# EAGLE board Mk4 Final Panel 8up 2x4 (EAGLE 9.0.1), part 18 of 23 (continued)
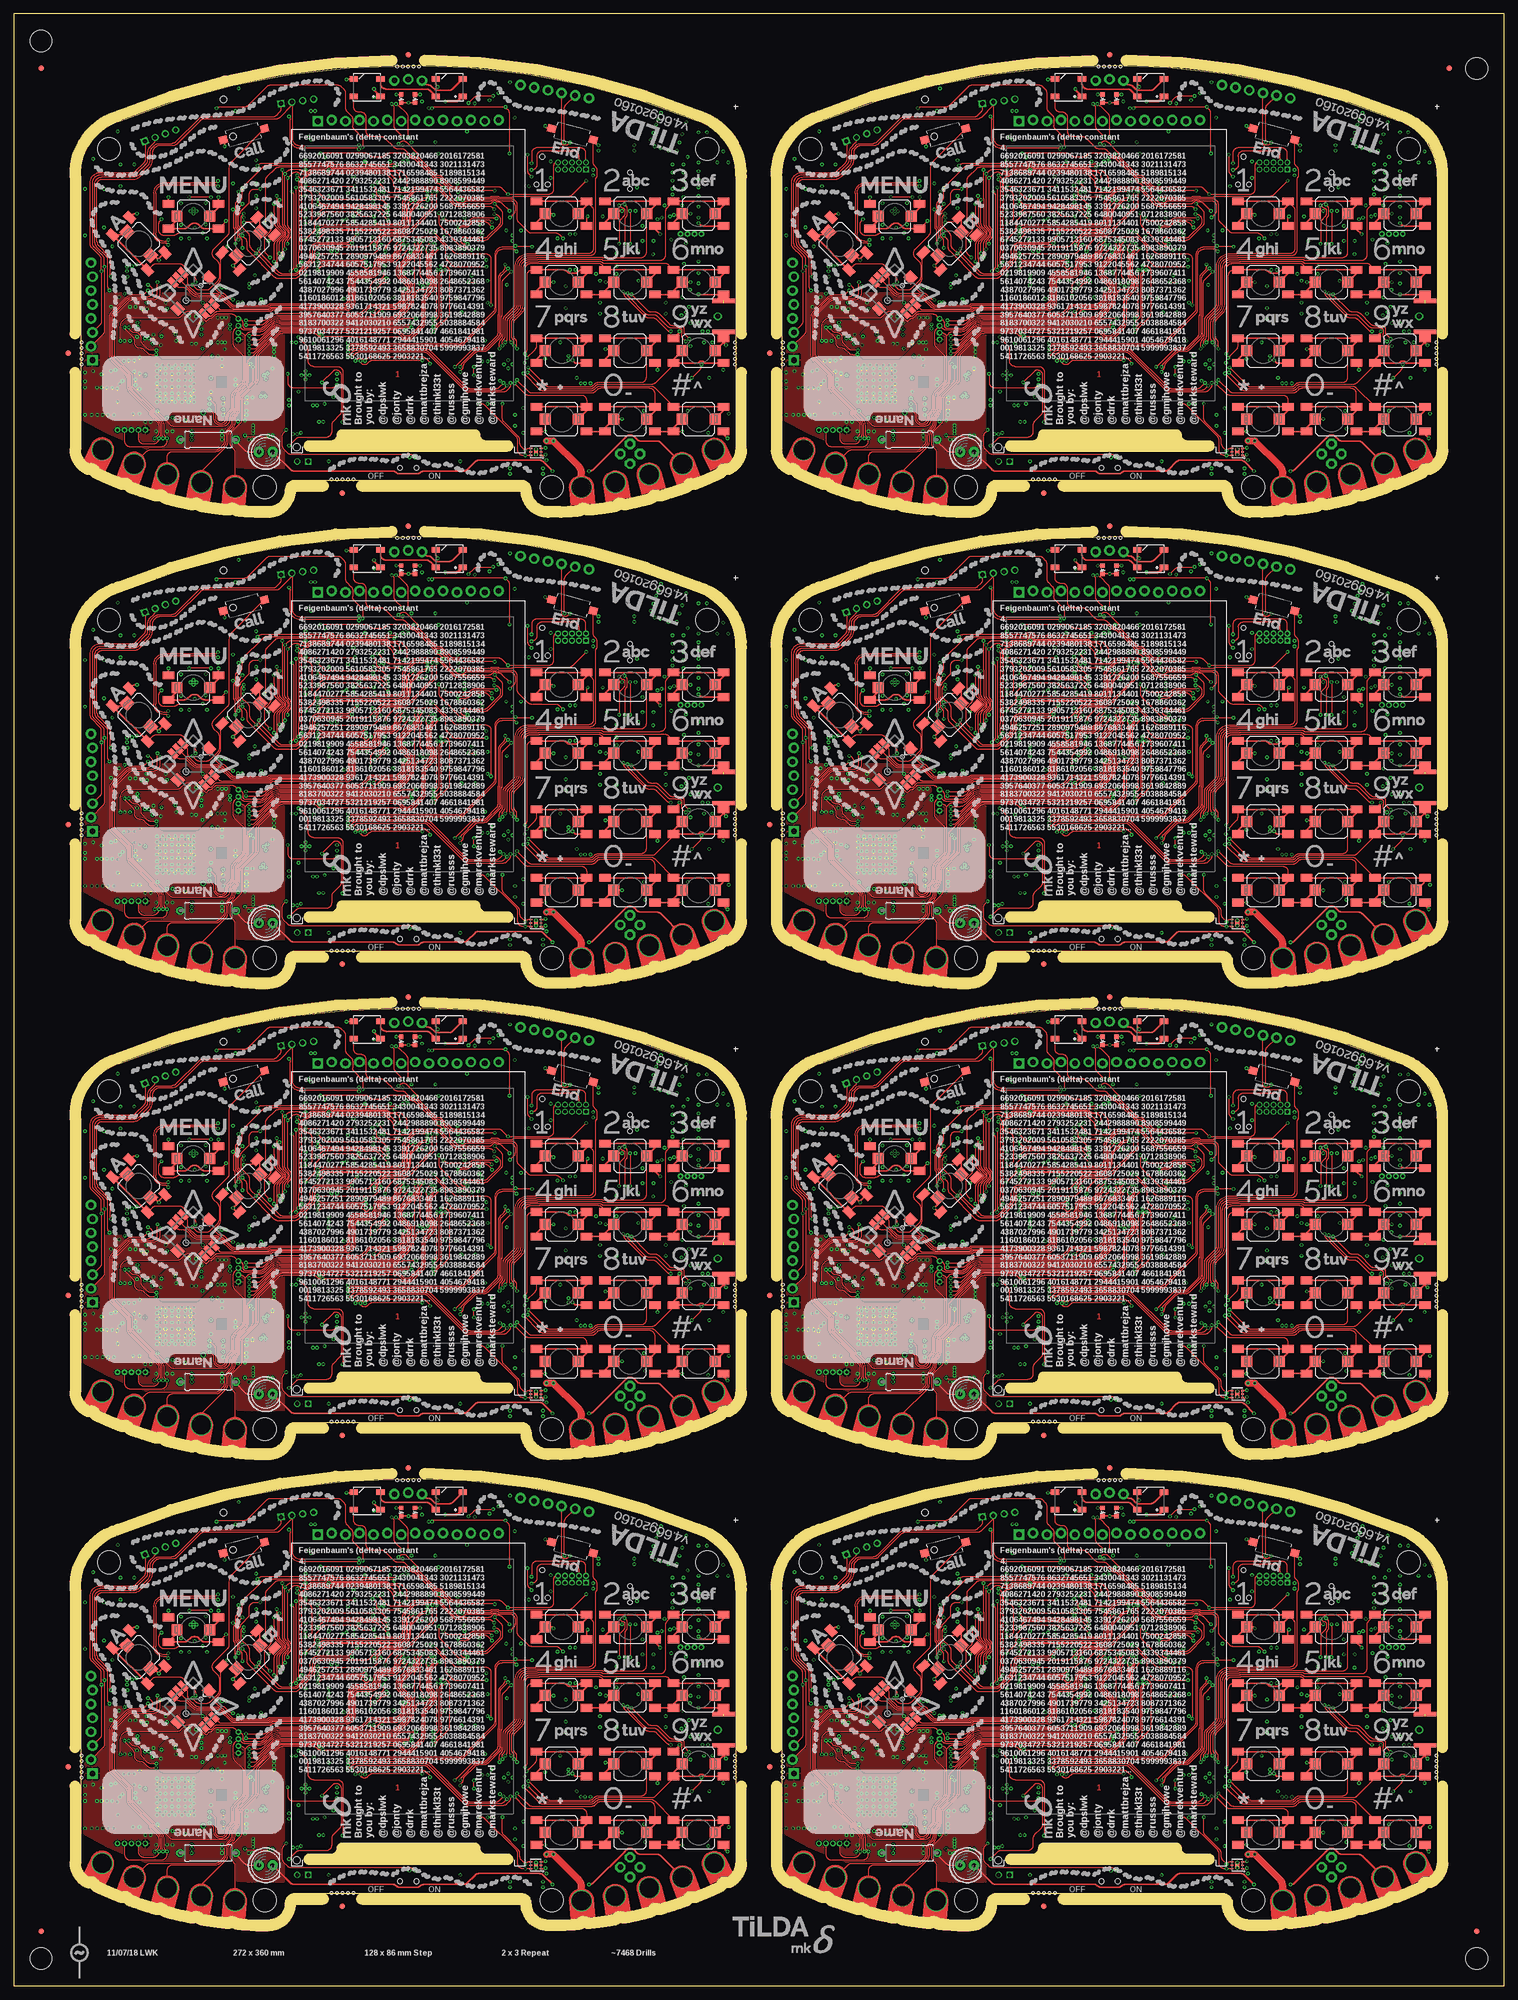
[diagram p0: board, top side]
## Tracks (layer width: path | path; a pad name or v marks a point on that pad's centre or on a via) (continued)
SIM_DET2
  Bottom 0.2: IC39.14 109.2,133 arc90 110.2,132 117.09,132 arc-45 117.79,131.71 118.71,130.79 arc-45 119,130.09 R189.2 119,126.41 arc45 119.29,125.71 120.65,124.35 arc45 121.35,124.06 J24.C8
SIM_DET3
  Bottom 0.2: IC57.14 237.2,133 arc90 238.2,132 245.09,132 arc-45 245.79,131.71 246.71,130.79 arc-45 247,130.09 R267.2 247,126.41 arc45 247.29,125.71 248.65,124.35 arc45 249.35,124.06 J34.C8
SIM_DET4
  Bottom 0.2: IC75.14 109.2,219 arc90 110.2,218 117.09,218 arc-45 117.79,217.71 118.71,216.79 arc-45 119,216.09 R345.2 119,212.41 arc45 119.29,211.71 120.65,210.35 arc45 121.35,210.06 J44.C8
SIM_DET5
  Bottom 0.2: IC93.14 237.2,219 arc90 238.2,218 245.09,218 arc-45 245.79,217.71 246.71,216.79 arc-45 247,216.09 R423.2 247,212.41 arc45 247.29,211.71 248.65,210.35 arc45 249.35,210.06 J54.C8
SIM_DET6
  Bottom 0.2: IC111.14 109.2,305 arc90 110.2,304 117.09,304 arc-45 117.79,303.71 118.71,302.79 arc-45 119,302.09 R501.2 119,298.41 arc45 119.29,297.71 120.65,296.35 arc45 121.35,296.06 J64.C8
SIM_DET7
  Bottom 0.2: IC129.14 237.2,305 arc90 238.2,304 245.09,304 arc-45 245.79,303.71 246.71,302.79 arc-45 247,302.09 R579.2 247,298.41 arc45 247.29,297.71 248.65,296.35 arc45 249.35,296.06 J74.C8
SIM_DTR
  Bottom 0.2: R31.1 100.25,53.25 TP2.TP
SIM_DTR1
  Bottom 0.2: R113.1 228.25,53.25 TP21.TP
SIM_DTR2
  Bottom 0.2: R191.1 100.25,139.25 TP40.TP
SIM_DTR3
  Bottom 0.2: R269.1 228.25,139.25 TP59.TP
SIM_DTR4
  Bottom 0.2: R347.1 100.25,225.25 TP78.TP
SIM_DTR5
  Bottom 0.2: R425.1 228.25,225.25 TP97.TP
SIM_DTR6
  Bottom 0.2: R503.1 100.25,311.25 TP116.TP
SIM_DTR7
  Bottom 0.2: R581.1 228.25,311.25 TP135.TP
SIM_DTR_R
  Bottom 0.15: R31.2 R40.1 102.7,52.45 IC5.6
SIM_DTR_R1
  Bottom 0.15: R113.2 R122.1 230.7,52.45 IC21.6
SIM_DTR_R2
  Bottom 0.15: R191.2 R200.1 102.7,138.45 IC39.6
SIM_DTR_R3
  Bottom 0.15: R269.2 R278.1 230.7,138.45 IC57.6
SIM_DTR_R4
  Bottom 0.15: R347.2 R356.1 102.7,224.45 IC75.6
SIM_DTR_R5
  Bottom 0.15: R425.2 R434.1 230.7,224.45 IC93.6
SIM_DTR_R6
  Bottom 0.15: R503.2 R512.1 102.7,310.45 IC111.6
SIM_DTR_R7
  Bottom 0.15: R581.2 R590.1 230.7,310.45 IC129.6
SIM_NETLIGHT
  Bottom 0.15: IC1.108 80.56,66.8 arc45 80.8,66.9 81.22,66.9 81.32,67 83.67,67 arc-90 86.17,64.5 86.17,62.62 arc45 86.32,62.27 86.48,62.11 arc-45 86.62,61.76 86.62,61.5 arc45 86.92,60.79 95.91,51.8 arc-45 96.2,51.09 96.2,43.75 arc90 97.2,42.75 TP12.TP 99,43.25 R42.1
SIM_NETLIGHT1
  Bottom 0.15: IC20.108 208.56,66.8 arc45 208.8,66.9 209.22,66.9 209.32,67 211.68,67 arc-90 214.18,64.5 214.18,62.62 arc45 214.32,62.27 214.48,62.11 arc-45 214.62,61.76 214.62,61.5 arc45 214.92,60.79 223.91,51.8 arc-45 224.2,51.09 224.2,43.75 arc90 225.2,42.75 TP31.TP 227,43.25 R124.1
SIM_NETLIGHT2
  Bottom 0.15: IC38.108 80.56,152.8 arc45 80.8,152.9 81.22,152.9 81.32,153 83.67,153 arc-90 86.17,150.5 86.17,148.62 arc45 86.32,148.27 86.48,148.11 arc-45 86.62,147.76 86.62,147.5 arc45 86.92,146.79 95.91,137.8 arc-45 96.2,137.09 96.2,129.75 arc90 97.2,128.75 TP50.TP 99,129.25 R202.1
SIM_NETLIGHT3
  Bottom 0.15: IC56.108 208.56,152.8 arc45 208.8,152.9 209.22,152.9 209.32,153 211.68,153 arc-90 214.18,150.5 214.18,148.62 arc45 214.32,148.27 214.48,148.11 arc-45 214.62,147.76 214.62,147.5 arc45 214.92,146.79 223.91,137.8 arc-45 224.2,137.09 224.2,129.75 arc90 225.2,128.75 TP69.TP 227,129.25 R280.1
SIM_NETLIGHT4
  Bottom 0.15: IC74.108 80.56,238.8 arc45 80.8,238.9 81.22,238.9 81.32,239 83.67,239 arc-90 86.17,236.5 86.17,234.62 arc45 86.32,234.27 86.48,234.11 arc-45 86.62,233.76 86.62,233.5 arc45 86.92,232.79 95.91,223.8 arc-45 96.2,223.09 96.2,215.75 arc90 97.2,214.75 TP88.TP 99,215.25 R358.1
SIM_NETLIGHT5
  Bottom 0.15: IC92.108 208.56,238.8 arc45 208.8,238.9 209.22,238.9 209.32,239 211.68,239 arc-90 214.18,236.5 214.18,234.62 arc45 214.32,234.27 214.48,234.11 arc-45 214.62,233.76 214.62,233.5 arc45 214.92,232.79 223.91,223.8 arc-45 224.2,223.09 224.2,215.75 arc90 225.2,214.75 TP107.TP 227,215.25 R436.1
SIM_NETLIGHT6
  Bottom 0.15: IC110.108 80.56,324.8 arc45 80.8,324.9 81.22,324.9 81.32,325 83.67,325 arc-90 86.17,322.5 86.17,320.62 arc45 86.32,320.27 86.48,320.11 arc-45 86.62,319.76 86.62,319.5 arc45 86.92,318.79 95.91,309.8 arc-45 96.2,309.1 96.2,301.75 arc90 97.2,300.75 TP126.TP 99,301.25 R514.1
SIM_NETLIGHT7
  Bottom 0.15: IC128.108 208.56,324.8 arc45 208.8,324.9 209.22,324.9 209.32,325 211.68,325 arc-90 214.18,322.5 214.18,320.62 arc45 214.32,320.27 214.48,320.11 arc-45 214.62,319.76 214.62,319.5 arc45 214.92,318.79 223.91,309.8 arc-45 224.2,309.1 224.2,301.75 arc90 225.2,300.75 TP145.TP 227,301.25 R592.1
SIM_PWR_KEY
  Bottom 0.15: Q1.1 101.42,41 R30.1 TP13.TP 96.9,41 arc-90 95.9,42 95.9,50.97 arc45 95.61,51.68 86.62,60.67 arc-45 86.33,61.38 86.33,61.63 arc45 86.18,61.99 86.02,62.15 arc-45 85.88,62.5 85.88,64.45 arc90 83.62,66.7 81.45,66.7 81.38,66.63 arc-45 81.31,66.6 81.04,66.6 arc45 80.97,66.57 80.83,66.43 arc-45 80.76,66.4 IC1.109
SIM_PWR_KEY1
  Bottom 0.15: Q6.1 229.43,41 R112.1 TP32.TP 224.9,41 arc-90 223.9,42 223.9,50.97 arc45 223.61,51.68 214.62,60.67 arc-45 214.32,61.38 214.32,61.63 arc45 214.18,61.99 214.02,62.15 arc-45 213.88,62.5 213.88,64.45 arc90 211.62,66.7 209.45,66.7 209.38,66.63 arc-45 209.31,66.6 209.04,66.6 arc45 208.97,66.57 208.83,66.43 arc-45 208.76,66.4 IC20.109
SIM_PWR_KEY2
  Bottom 0.15: Q11.1 101.42,127 R190.1 TP51.TP 96.9,127 arc-90 95.9,128 95.9,136.97 arc45 95.61,137.68 86.62,146.67 arc-45 86.33,147.38 86.33,147.63 arc45 86.18,147.99 86.02,148.15 arc-45 85.88,148.5 85.88,150.45 arc90 83.62,152.7 81.45,152.7 81.38,152.63 arc-45 81.31,152.6 81.04,152.6 arc45 80.97,152.57 80.83,152.43 arc-45 80.76,152.4 IC38.109
SIM_PWR_KEY3
  Bottom 0.15: Q15.1 229.43,127 R268.1 TP70.TP 224.9,127 arc-90 223.9,128 223.9,136.97 arc45 223.61,137.68 214.62,146.67 arc-45 214.32,147.38 214.32,147.63 arc45 214.18,147.99 214.02,148.15 arc-45 213.88,148.5 213.88,150.45 arc90 211.62,152.7 209.45,152.7 209.38,152.63 arc-45 209.31,152.6 209.04,152.6 arc45 208.97,152.57 208.83,152.43 arc-45 208.76,152.4 IC56.109
SIM_PWR_KEY4
  Bottom 0.15: Q19.1 101.42,213 R346.1 TP89.TP 96.9,213 arc-90 95.9,214 95.9,222.97 arc45 95.61,223.68 86.62,232.67 arc-45 86.33,233.38 86.33,233.63 arc45 86.18,233.99 86.02,234.15 arc-45 85.88,234.5 85.88,236.45 arc90 83.62,238.7 81.45,238.7 81.38,238.63 arc-45 81.31,238.6 81.04,238.6 arc45 80.97,238.57 80.83,238.43 arc-45 80.76,238.4 IC74.109
SIM_PWR_KEY5
  Bottom 0.15: Q23.1 229.43,213 R424.1 TP108.TP 224.9,213 arc-90 223.9,214 223.9,222.97 arc45 223.61,223.68 214.62,232.67 arc-45 214.32,233.38 214.32,233.63 arc45 214.18,233.99 214.02,234.15 arc-45 213.88,234.5 213.88,236.45 arc90 211.62,238.7 209.45,238.7 209.38,238.63 arc-45 209.31,238.6 209.04,238.6 arc45 208.97,238.57 208.83,238.43 arc-45 208.76,238.4 IC92.109
SIM_PWR_KEY6
  Bottom 0.15: Q27.1 101.42,299 R502.1 TP127.TP 96.9,299 arc-90 95.9,300 95.9,308.97 arc45 95.61,309.68 86.62,318.67 arc-45 86.33,319.38 86.33,319.63 arc45 86.18,319.99 86.02,320.14 arc-45 85.88,320.5 85.88,322.45 arc90 83.62,324.7 81.45,324.7 81.38,324.63 arc-45 81.31,324.6 81.04,324.6 arc45 80.97,324.57 80.83,324.43 arc-45 80.76,324.4 IC110.109
SIM_PWR_KEY7
  Bottom 0.15: Q31.1 229.43,299 R580.1 TP146.TP 224.9,299 arc-90 223.9,300 223.9,308.97 arc45 223.61,309.68 214.62,318.67 arc-45 214.32,319.38 214.32,319.63 arc45 214.18,319.99 214.02,320.14 arc-45 213.88,320.5 213.88,322.45 arc90 211.62,324.7 209.45,324.7 209.38,324.63 arc-45 209.31,324.6 209.04,324.6 arc45 208.97,324.57 208.83,324.43 arc-45 208.76,324.4 IC128.109
SIM_RI  (via drill 0.3)
  Top 0.15: v78.4,64.8 78.81,64.39 arc45 79.51,64.1 82.77,64.1 arc45 83.16,64.26 arc-45 84.22,64.7 87.86,64.7 arc-45 v88.1,64.6
  Bottom 0.15: 100.72,54.5 100.97,54.25 R32.1 101,54.25 TP10.TP 94.16,55.25 88.39,61.01 arc-45 88.1,61.72 v88.1,64.6 | IC1.112 79.21,65.2 arc45 78.51,64.91 v78.4,64.8
SIM_RI1  (via drill 0.3)
  Top 0.15: v206.4,64.8 206.81,64.39 arc45 207.51,64.1 210.77,64.1 arc45 211.16,64.26 arc-45 212.22,64.7 215.86,64.7 arc-45 v216.1,64.6
  Bottom 0.15: 228.72,54.5 228.97,54.25 R115.1 229,54.25 TP29.TP 222.16,55.25 216.39,61.01 arc-45 216.1,61.72 v216.1,64.6 | IC20.112 207.21,65.2 arc45 206.51,64.91 v206.4,64.8
SIM_RI2  (via drill 0.3)
  Top 0.15: v78.4,150.8 78.81,150.39 arc45 79.51,150.1 82.77,150.1 arc45 83.16,150.26 arc-45 84.22,150.7 87.86,150.7 arc-45 v88.1,150.6
  Bottom 0.15: 100.72,140.5 100.97,140.25 R193.1 101,140.25 TP48.TP 94.16,141.25 88.39,147.01 arc-45 88.1,147.72 v88.1,150.6 | IC38.112 79.21,151.2 arc45 78.51,150.91 v78.4,150.8
SIM_RI3  (via drill 0.3)
  Top 0.15: v206.4,150.8 206.81,150.39 arc45 207.51,150.1 210.77,150.1 arc45 211.16,150.26 arc-45 212.22,150.7 215.86,150.7 arc-45 v216.1,150.6
  Bottom 0.15: 228.72,140.5 228.97,140.25 R271.1 229,140.25 TP67.TP 222.16,141.25 216.39,147.01 arc-45 216.1,147.72 v216.1,150.6 | IC56.112 207.21,151.2 arc45 206.51,150.91 v206.4,150.8
SIM_RI4  (via drill 0.3)
  Top 0.15: v78.4,236.8 78.81,236.39 arc45 79.51,236.1 82.77,236.1 arc45 83.16,236.26 arc-45 84.22,236.7 87.86,236.7 arc-45 v88.1,236.6
  Bottom 0.15: 100.72,226.5 100.97,226.25 R349.1 101,226.25 TP86.TP 94.16,227.25 88.39,233.01 arc-45 88.1,233.72 v88.1,236.6 | IC74.112 79.21,237.2 arc45 78.51,236.91 v78.4,236.8
SIM_RI5  (via drill 0.3)
  Top 0.15: v206.4,236.8 206.81,236.39 arc45 207.51,236.1 210.77,236.1 arc45 211.16,236.26 arc-45 212.22,236.7 215.86,236.7 arc-45 v216.1,236.6
  Bottom 0.15: 228.72,226.5 228.97,226.25 R427.1 229,226.25 TP105.TP 222.16,227.25 216.39,233.01 arc-45 216.1,233.72 v216.1,236.6 | IC92.112 207.21,237.2 arc45 206.51,236.91 v206.4,236.8
SIM_RI6  (via drill 0.3)
  Top 0.15: v78.4,322.8 78.81,322.39 arc45 79.51,322.1 82.77,322.1 arc45 83.16,322.26 arc-45 84.22,322.7 87.86,322.7 arc-45 v88.1,322.6
  Bottom 0.15: 100.72,312.5 100.97,312.25 R505.1 101,312.25 TP124.TP 94.16,313.25 88.39,319.01 arc-45 88.1,319.72 v88.1,322.6 | IC110.112 79.21,323.2 arc45 78.51,322.91 v78.4,322.8
SIM_RI7  (via drill 0.3)
  Top 0.15: v206.4,322.8 206.81,322.39 arc45 207.51,322.1 210.77,322.1 arc45 211.16,322.26 arc-45 212.22,322.7 215.86,322.7 arc-45 v216.1,322.6
  Bottom 0.15: 228.72,312.5 228.97,312.25 R583.1 229,312.25 TP143.TP 222.16,313.25 216.39,319.01 arc-45 216.1,319.72 v216.1,322.6 | IC128.112 207.21,323.2 arc45 206.51,322.91 v206.4,322.8
SIM_RI_R
  Bottom 0.15: IC5.7 103.2,53.55 R32.2
SIM_RI_R1
  Bottom 0.15: IC21.7 231.2,53.55 R115.2
SIM_RI_R2
  Bottom 0.15: IC39.7 103.2,139.55 R193.2
SIM_RI_R3
  Bottom 0.15: IC57.7 231.2,139.55 R271.2
SIM_RI_R4
  Bottom 0.15: IC75.7 103.2,225.55 R349.2
SIM_RI_R5
  Bottom 0.15: IC93.7 231.2,225.55 R427.2
SIM_RI_R6
  Bottom 0.15: IC111.7 103.2,311.55 R505.2
SIM_RI_R7
  Bottom 0.15: IC129.7 231.2,311.55 R583.2
SIM_RST  (via drill 0.3)
  Top 0.2: v111.25,51.25 111.25,51.06 arc45 111.47,50.53 115.21,46.79 arc45 115.91,46.5 116.59,46.5 arc-45 117.29,46.21 119.22,44.28 arc45 v119.9,44 | v112.5,66 v112.5,60
  Bottom 0.2: J1.C2 128,32.98 127.98,33 125.41,33 arc-45 124.71,33.29 arc-45 124.5,33.79 124.5,35.59 arc45 124.21,36.29 124.04,36.46 arc-45 123.75,37.16 123.75,38.25 arc90 123.25,38.75 122.96,38.75 arc-45 122.6,38.9 120.11,41.39 arc-45 119.9,41.9 | v111.25,51.25 111.25,51.94 arc-45 111.47,52.47 111.53,52.53 arc45 111.75,53.06 111.75,58.84 arc-45 112.04,59.54 v112.5,60 | R28.2 v112.5,66 | 119.9,41.9 v119.9,44 | IC10.4 119.9,41.9
SIM_RST1  (via drill 0.3)
  Top 0.2: v239.25,51.25 239.25,51.06 arc45 239.47,50.53 243.21,46.79 arc45 243.91,46.5 244.59,46.5 arc-45 245.29,46.21 247.22,44.28 arc45 v247.9,44 | v240.5,66 v240.5,60
  Bottom 0.2: J14.C2 256,32.98 255.98,33 253.41,33 arc-45 252.71,33.29 arc-45 252.5,33.79 252.5,35.59 arc45 252.21,36.29 252.04,36.46 arc-45 251.75,37.16 251.75,38.25 arc90 251.25,38.75 250.96,38.75 arc-45 250.6,38.9 248.11,41.39 arc-45 247.9,41.9 | v239.25,51.25 239.25,51.94 arc-45 239.47,52.47 239.53,52.53 arc45 239.75,53.06 239.75,58.84 arc-45 240.04,59.54 v240.5,60 | R110.2 v240.5,66 | 247.9,41.9 v247.9,44 | IC25.4 247.9,41.9
SIM_RST2  (via drill 0.3)
  Top 0.2: v111.25,137.25 111.25,137.06 arc45 111.47,136.53 115.21,132.79 arc45 115.91,132.5 116.59,132.5 arc-45 117.29,132.21 119.22,130.28 arc45 v119.9,130 | v112.5,152 v112.5,146
  Bottom 0.2: J24.C2 128,118.98 127.98,119 125.41,119 arc-45 124.71,119.29 arc-45 124.5,119.79 124.5,121.59 arc45 124.21,122.29 124.04,122.46 arc-45 123.75,123.16 123.75,124.25 arc90 123.25,124.75 122.96,124.75 arc-45 122.6,124.9 120.11,127.39 arc-45 119.9,127.9 | v111.25,137.25 111.25,137.94 arc-45 111.47,138.47 111.53,138.53 arc45 111.75,139.06 111.75,144.84 arc-45 112.04,145.54 v112.5,146 | R188.2 v112.5,152 | 119.9,127.9 v119.9,130 | IC43.4 119.9,127.9
SIM_RST3  (via drill 0.3)
  Top 0.2: v239.25,137.25 239.25,137.06 arc45 239.47,136.53 243.21,132.79 arc45 243.91,132.5 244.59,132.5 arc-45 245.29,132.21 247.22,130.28 arc45 v247.9,130 | v240.5,152 v240.5,146
  Bottom 0.2: J34.C2 256,118.98 255.98,119 253.41,119 arc-45 252.71,119.29 arc-45 252.5,119.79 252.5,121.59 arc45 252.21,122.29 252.04,122.46 arc-45 251.75,123.16 251.75,124.25 arc90 251.25,124.75 250.96,124.75 arc-45 250.6,124.9 248.11,127.39 arc-45 247.9,127.9 | v239.25,137.25 239.25,137.94 arc-45 239.47,138.47 239.53,138.53 arc45 239.75,139.06 239.75,144.84 arc-45 240.04,145.54 v240.5,146 | R266.2 v240.5,152 | 247.9,127.9 v247.9,130 | IC61.4 247.9,127.9
SIM_RST4  (via drill 0.3)
  Top 0.2: v111.25,223.25 111.25,223.06 arc45 111.47,222.53 115.21,218.79 arc45 115.91,218.5 116.59,218.5 arc-45 117.29,218.21 119.22,216.28 arc45 v119.9,216 | v112.5,238 v112.5,232
  Bottom 0.2: J44.C2 128,204.98 127.98,205 125.41,205 arc-45 124.71,205.29 arc-45 124.5,205.79 124.5,207.59 arc45 124.21,208.29 124.04,208.46 arc-45 123.75,209.16 123.75,210.25 arc90 123.25,210.75 122.96,210.75 arc-45 122.6,210.9 120.11,213.39 arc-45 119.9,213.9 | v111.25,223.25 111.25,223.94 arc-45 111.47,224.47 111.53,224.53 arc45 111.75,225.06 111.75,230.84 arc-45 112.04,231.54 v112.5,232 | R344.2 v112.5,238 | 119.9,213.9 v119.9,216 | IC79.4 119.9,213.9
SIM_RST5  (via drill 0.3)
  Top 0.2: v239.25,223.25 239.25,223.06 arc45 239.47,222.53 243.21,218.79 arc45 243.91,218.5 244.59,218.5 arc-45 245.29,218.21 247.22,216.28 arc45 v247.9,216 | v240.5,238 v240.5,232
  Bottom 0.2: J54.C2 256,204.98 255.98,205 253.41,205 arc-45 252.71,205.29 arc-45 252.5,205.79 252.5,207.59 arc45 252.21,208.29 252.04,208.46 arc-45 251.75,209.16 251.75,210.25 arc90 251.25,210.75 250.96,210.75 arc-45 250.6,210.9 248.11,213.39 arc-45 247.9,213.9 | v239.25,223.25 239.25,223.94 arc-45 239.47,224.47 239.53,224.53 arc45 239.75,225.06 239.75,230.84 arc-45 240.04,231.54 v240.5,232 | R422.2 v240.5,238 | 247.9,213.9 v247.9,216 | IC97.4 247.9,213.9
SIM_RST6  (via drill 0.3)
  Top 0.2: v111.25,309.25 111.25,309.06 arc45 111.47,308.53 115.21,304.79 arc45 115.91,304.5 116.59,304.5 arc-45 117.29,304.21 119.22,302.28 arc45 v119.9,302 | v112.5,324 v112.5,318
  Bottom 0.2: J64.C2 128,290.98 127.98,291 125.41,291 arc-45 124.71,291.29 arc-45 124.5,291.79 124.5,293.59 arc45 124.21,294.29 124.04,294.46 arc-45 123.75,295.16 123.75,296.25 arc90 123.25,296.75 122.96,296.75 arc-45 122.6,296.9 120.11,299.39 arc-45 119.9,299.9 | v111.25,309.25 111.25,309.94 arc-45 111.47,310.47 111.53,310.53 arc45 111.75,311.06 111.75,316.84 arc-45 112.04,317.54 v112.5,318 | R500.2 v112.5,324 | 119.9,299.9 v119.9,302 | IC115.4 119.9,299.9
SIM_RST7  (via drill 0.3)
  Top 0.2: v239.25,309.25 239.25,309.06 arc45 239.47,308.53 243.21,304.79 arc45 243.91,304.5 244.59,304.5 arc-45 245.29,304.21 247.22,302.28 arc45 v247.9,302 | v240.5,324 v240.5,318
  Bottom 0.2: J74.C2 256,290.98 255.98,291 253.41,291 arc-45 252.71,291.29 arc-45 252.5,291.79 252.5,293.59 arc45 252.21,294.29 252.04,294.46 arc-45 251.75,295.16 251.75,296.25 arc90 251.25,296.75 250.96,296.75 arc-45 250.6,296.9 248.11,299.39 arc-45 247.9,299.9 | v239.25,309.25 239.25,309.94 arc-45 239.47,310.47 239.53,310.53 arc45 239.75,311.06 239.75,316.84 arc-45 240.04,317.54 v240.5,318 | R578.2 v240.5,324 | 247.9,299.9 v247.9,302 | IC133.4 247.9,299.9
SIM_RST_R
  Bottom 0.2: IC5.17 R28.1 C48.2
SIM_RST_R1
  Bottom 0.2: IC21.17 R110.1 C155.2
SIM_RST_R2
  Bottom 0.2: IC39.17 R188.1 C263.2
SIM_RST_R3
  Bottom 0.2: IC57.17 R266.1 C371.2
SIM_RST_R4
  Bottom 0.2: IC75.17 R344.1 C479.2
SIM_RST_R5
  Bottom 0.2: IC93.17 R422.1 C587.2
SIM_RST_R6
  Bottom 0.2: IC111.17 R500.1 C695.2
SIM_RST_R7
  Bottom 0.2: IC129.17 R578.1 C803.2
SIM_RTS
  Bottom 0.2: TP5.TP R35.1
SIM_RTS1
  Bottom 0.2: TP24.TP R118.1
SIM_RTS2
  Bottom 0.2: TP43.TP R196.1
SIM_RTS3
  Bottom 0.2: TP62.TP R274.1
SIM_RTS4
  Bottom 0.2: TP81.TP R352.1
SIM_RTS5
  Bottom 0.2: TP100.TP R430.1
SIM_RTS6
  Bottom 0.2: TP119.TP R508.1
SIM_RTS7
  Bottom 0.2: TP138.TP R586.1
SIM_RTS_R
  Bottom 0.15: IC5.3 104.55,49.25 R35.2 R39.1
SIM_RTS_R1
  Bottom 0.15: IC21.3 232.55,49.25 R118.2 R121.1
SIM_RTS_R2
  Bottom 0.15: IC39.3 104.55,135.25 R196.2 R199.1
SIM_RTS_R3
  Bottom 0.15: IC57.3 232.55,135.25 R274.2 R277.1
SIM_RTS_R4
  Bottom 0.15: IC75.3 104.55,221.25 R352.2 R355.1
SIM_RTS_R5
  Bottom 0.15: IC93.3 232.55,221.25 R430.2 R433.1
SIM_RTS_R6
  Bottom 0.15: IC111.3 104.55,307.25 R508.2 R511.1
SIM_RTS_R7
  Bottom 0.15: IC129.3 232.55,307.25 R586.2 R589.1
SIM_RXD_R
  Bottom 0.15: IC5.2 103.71,48.05 arc45 103.01,47.76 R37.2 R38.1
SIM_RXD_R1
  Bottom 0.15: IC21.2 231.71,48.05 arc45 231.01,47.76 R120.2 R114.1
SIM_RXD_R2
  Bottom 0.15: IC39.2 103.71,134.05 arc45 103.01,133.76 R198.2 R192.1
SIM_RXD_R3
  Bottom 0.15: IC57.2 231.71,134.05 arc45 231.01,133.76 R276.2 R270.1
SIM_RXD_R4
  Bottom 0.15: IC75.2 103.71,220.05 arc45 103.01,219.76 R354.2 R348.1
SIM_RXD_R5
  Bottom 0.15: IC93.2 231.71,220.05 arc45 231.01,219.76 R432.2 R426.1
SIM_RXD_R6
  Bottom 0.15: IC111.2 103.71,306.05 arc45 103.01,305.76 R510.2 R504.1
SIM_RXD_R7
  Bottom 0.15: IC129.2 231.71,306.05 arc45 231.01,305.76 R588.2 R582.1
SIM_STATUS
  Bottom 0.15: R41.1 98.25,44.25 TP11.TP 96.79,45.71 arc-45 96.5,46.41 96.5,51.22 arc45 96.21,51.93 87.22,60.92 arc-45 86.92,61.62 86.92,61.88 arc45 86.78,62.24 86.62,62.39 arc-45 86.47,62.75 86.47,64.55 arc90 83.72,67.3 81.2,67.3 81.1,67.2 IC1.107
SIM_STATUS1
  Bottom 0.15: R123.1 226.25,44.25 TP30.TP 224.79,45.71 arc-45 224.5,46.41 224.5,51.22 arc45 224.21,51.93 215.22,60.92 arc-45 214.93,61.62 214.93,61.88 arc45 214.78,62.24 214.62,62.39 arc-45 214.47,62.75 214.47,64.55 arc90 211.72,67.3 209.2,67.3 209.1,67.2 IC20.107
SIM_STATUS2
  Bottom 0.15: R201.1 98.25,130.25 TP49.TP 96.79,131.71 arc-45 96.5,132.41 96.5,137.22 arc45 96.21,137.93 87.22,146.92 arc-45 86.92,147.62 86.92,147.88 arc45 86.78,148.24 86.62,148.39 arc-45 86.47,148.75 86.47,150.55 arc90 83.72,153.3 81.2,153.3 81.1,153.2 IC38.107
SIM_STATUS3
  Bottom 0.15: R279.1 226.25,130.25 TP68.TP 224.79,131.71 arc-45 224.5,132.41 224.5,137.22 arc45 224.21,137.93 215.22,146.92 arc-45 214.93,147.62 214.93,147.88 arc45 214.78,148.24 214.62,148.39 arc-45 214.47,148.75 214.47,150.55 arc90 211.72,153.3 209.2,153.3 209.1,153.2 IC56.107
SIM_STATUS4
  Bottom 0.15: R357.1 98.25,216.25 TP87.TP 96.79,217.71 arc-45 96.5,218.41 96.5,223.22 arc45 96.21,223.93 87.22,232.92 arc-45 86.92,233.62 86.92,233.88 arc45 86.78,234.24 86.62,234.39 arc-45 86.47,234.75 86.47,236.55 arc90 83.72,239.3 81.2,239.3 81.1,239.2 IC74.107
SIM_STATUS5
  Bottom 0.15: R435.1 226.25,216.25 TP106.TP 224.79,217.71 arc-45 224.5,218.41 224.5,223.22 arc45 224.21,223.93 215.22,232.92 arc-45 214.93,233.62 214.93,233.88 arc45 214.78,234.24 214.62,234.39 arc-45 214.47,234.75 214.47,236.55 arc90 211.72,239.3 209.2,239.3 209.1,239.2 IC92.107
SIM_STATUS6
  Bottom 0.15: R513.1 98.25,302.25 TP125.TP 96.79,303.71 arc-45 96.5,304.41 96.5,309.22 arc45 96.21,309.93 87.22,318.92 arc-45 86.92,319.62 86.92,319.88 arc45 86.78,320.24 86.62,320.39 arc-45 86.47,320.75 86.47,322.55 arc90 83.72,325.3 81.2,325.3 81.1,325.2 IC110.107
SIM_STATUS7
  Bottom 0.15: R591.1 226.25,302.25 TP144.TP 224.79,303.71 arc-45 224.5,304.41 224.5,309.22 arc45 224.21,309.93 215.22,318.92 arc-45 214.93,319.62 214.93,319.88 arc45 214.78,320.24 214.62,320.39 arc-45 214.47,320.75 214.47,322.55 arc90 211.72,325.3 209.2,325.3 209.1,325.2 IC128.107
SIM_STATUS_R
  Bottom 0.15: R41.2 108.05,44.25 IC5.42
SIM_STATUS_R1
  Bottom 0.15: R123.2 236.05,44.25 IC21.42
SIM_STATUS_R2
  Bottom 0.15: R201.2 108.05,130.25 IC39.42
SIM_STATUS_R3
  Bottom 0.15: R279.2 236.05,130.25 IC57.42
SIM_STATUS_R4
  Bottom 0.15: R357.2 108.05,216.25 IC75.42
SIM_STATUS_R5
  Bottom 0.15: R435.2 236.05,216.25 IC93.42
SIM_STATUS_R6
  Bottom 0.15: R513.2 108.05,302.25 IC111.42
SIM_STATUS_R7
  Bottom 0.15: R591.2 236.05,302.25 IC129.42
SIM_TXD_R
  Bottom 0.15: IC5.1 104.2,46.95 arc90 103.25,46 arc-90 R36.2
SIM_TXD_R1
  Bottom 0.15: IC21.1 232.2,46.95 arc90 231.25,46 arc-90 R119.2
SIM_TXD_R2
  Bottom 0.15: IC39.1 104.2,132.95 arc90 103.25,132 arc-90 R197.2
SIM_TXD_R3
  Bottom 0.15: IC57.1 232.2,132.95 arc90 231.25,132 arc-90 R275.2
SIM_TXD_R4
  Bottom 0.15: IC75.1 104.2,218.95 arc90 103.25,218 arc-90 R353.2
SIM_TXD_R5
  Bottom 0.15: IC93.1 232.2,218.95 arc90 231.25,218 arc-90 R431.2
SIM_TXD_R6
  Bottom 0.15: IC111.1 104.2,304.95 arc90 103.25,304 arc-90 R509.2
SIM_TXD_R7
  Bottom 0.15: IC129.1 232.2,304.95 arc90 231.25,304 arc-90 R587.2
SIM_VBUS
  Bottom 0.25: IC5.24 121.35,56.85 arc90 122,57.5 122,61.49 JP9.4
SIM_VBUS1
  Bottom 0.25: IC21.24 249.35,56.85 arc90 250,57.5 250,61.49 JP14.4
SIM_VBUS2
  Bottom 0.25: IC39.24 121.35,142.85 arc90 122,143.5 122,147.49 JP23.4
SIM_VBUS3
  Bottom 0.25: IC57.24 249.35,142.85 arc90 250,143.5 250,147.49 JP32.4
SIM_VBUS4
  Bottom 0.25: IC75.24 121.35,228.85 arc90 122,229.5 122,233.49 JP41.4
SIM_VBUS5
  Bottom 0.25: IC93.24 249.35,228.85 arc90 250,229.5 250,233.49 JP50.4
SIM_VBUS6
  Bottom 0.25: IC111.24 121.35,314.85 arc90 122,315.5 122,319.49 JP59.4
SIM_VBUS7
  Bottom 0.25: IC129.24 249.35,314.85 arc90 250,315.5 250,319.49 JP68.4
SIM_VDD
  Bottom 0.3: C51.2 arc-45 127.5,26.85 127.5,28.84 arc-45 127.79,29.54 128.4,30.15 arc-45 129.1,30.44 J1.C1 130.11,31.2 arc-45 130.4,31.9 130.46,31.96 arc45 130.75,32.66 130.75,33.25 arc90 129.75,34.25 126,34.25 arc-90 125,35.25 125,36.09 arc45 124.71,36.79 124.54,36.96 arc-45 124.25,37.66 124.25,38.75 arc90 123.25,39.75 122.91,39.75 arc-45 122.21,40.04 121.54,40.71 arc-45 121.25,41.41 121.25,42.5 120.85,42.9 IC10.5 120.58,44.59 arc45 120.28,45.29 119.37,46.21 arc45 118.66,46.5 115.91,46.5 arc-45 115.21,46.79 113.79,48.21 arc-45 113.5,48.91 113.5,50.94 arc45 113.28,51.47 112.47,52.28 arc-45 112.25,52.81 112.25,58.34 arc-45 112.54,59.04 113.31,59.81 arc45 113.6,60.51 IC5.18
SIM_VDD1
  Bottom 0.3: C158.2 arc-45 255.5,26.85 255.5,28.84 arc-45 255.79,29.54 256.4,30.15 arc-45 257.1,30.44 J14.C1 258.11,31.2 arc-45 258.4,31.9 258.46,31.96 arc45 258.75,32.66 258.75,33.25 arc90 257.75,34.25 254,34.25 arc-90 253,35.25 253,36.09 arc45 252.71,36.79 252.54,36.96 arc-45 252.25,37.66 252.25,38.75 arc90 251.25,39.75 250.91,39.75 arc-45 250.21,40.04 249.54,40.71 arc-45 249.25,41.41 249.25,42.5 248.85,42.9 IC25.5 248.57,44.59 arc45 248.28,45.29 247.37,46.21 arc45 246.66,46.5 243.91,46.5 arc-45 243.21,46.79 241.79,48.21 arc-45 241.5,48.91 241.5,50.94 arc45 241.28,51.47 240.47,52.28 arc-45 240.25,52.81 240.25,58.34 arc-45 240.54,59.04 241.31,59.81 arc45 241.6,60.51 IC21.18
SIM_VDD2
  Bottom 0.3: C266.2 arc-45 127.5,112.85 127.5,114.84 arc-45 127.79,115.54 128.4,116.15 arc-45 129.1,116.44 J24.C1 130.11,117.2 arc-45 130.4,117.9 130.46,117.96 arc45 130.75,118.66 130.75,119.25 arc90 129.75,120.25 126,120.25 arc-90 125,121.25 125,122.09 arc45 124.71,122.79 124.54,122.96 arc-45 124.25,123.66 124.25,124.75 arc90 123.25,125.75 122.91,125.75 arc-45 122.21,126.04 121.54,126.71 arc-45 121.25,127.41 121.25,128.5 120.85,128.9 IC43.5 120.58,130.59 arc45 120.28,131.29 119.37,132.21 arc45 118.66,132.5 115.91,132.5 arc-45 115.21,132.79 113.79,134.21 arc-45 113.5,134.91 113.5,136.94 arc45 113.28,137.47 112.47,138.28 arc-45 112.25,138.81 112.25,144.34 arc-45 112.54,145.04 113.31,145.81 arc45 113.6,146.51 IC39.18
SIM_VDD3
  Bottom 0.3: C374.2 arc-45 255.5,112.85 255.5,114.84 arc-45 255.79,115.54 256.4,116.15 arc-45 257.1,116.44 J34.C1 258.11,117.2 arc-45 258.4,117.9 258.46,117.96 arc45 258.75,118.66 258.75,119.25 arc90 257.75,120.25 254,120.25 arc-90 253,121.25 253,122.09 arc45 252.71,122.79 252.54,122.96 arc-45 252.25,123.66 252.25,124.75 arc90 251.25,125.75 250.91,125.75 arc-45 250.21,126.04 249.54,126.71 arc-45 249.25,127.41 249.25,128.5 248.85,128.9 IC61.5 248.57,130.59 arc45 248.28,131.29 247.37,132.21 arc45 246.66,132.5 243.91,132.5 arc-45 243.21,132.79 241.79,134.21 arc-45 241.5,134.91 241.5,136.94 arc45 241.28,137.47 240.47,138.28 arc-45 240.25,138.81 240.25,144.34 arc-45 240.54,145.04 241.31,145.81 arc45 241.6,146.51 IC57.18
SIM_VDD4